# KiCad board migrane.kicad_pcb (continued)
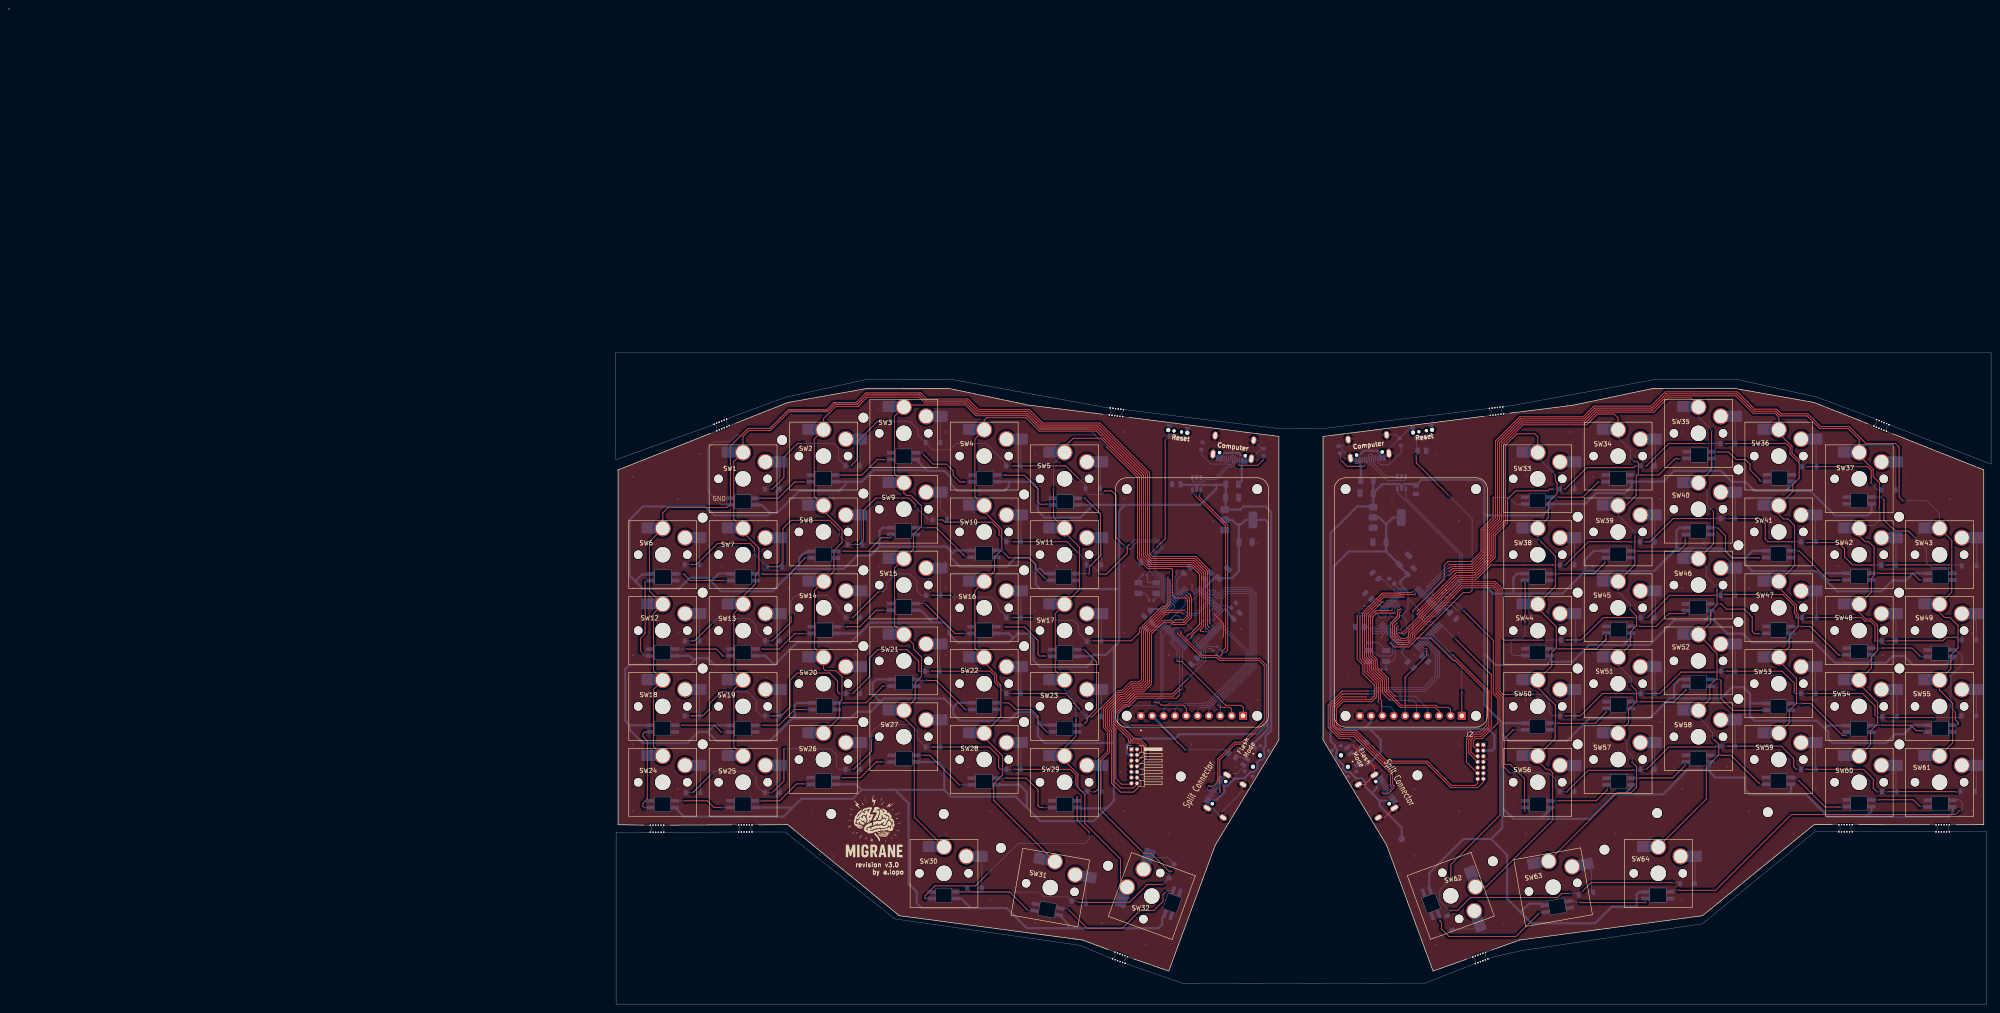
[diagram p0: board, top side]
## Routing (per net, layer and track width the routed paths; a pad name or vN(x,y) marks a point on that pad's centre or on a via; arc(x,y) is an arc through that point) (continued)
  Bottom w0.2: v1(124.51,29.8) 123.99,29.27 D32.1 ; 122.54,26.8 D32.1 ; 122.54,26.8 D32.1 ; 122.54,26.8 v1(122.51,26.8) ; 132.25,89.32 129.93,87 127.92,87 127.42,87.5 v1(127.06,87.5) ; D30.1 79.66,25.09 81.54,25.09 81.58,25.05 82.52,25.05 82.56,25.09 94.82,25.09 95.88,24.04 101.18,24.04 D31.1 103.43,23.09 v1(103.71,22.8)
ROW5^{b}: length 174.9
  Top w0.2: v1(187.11,28) 187.11,31.3 198.11,42.3 198.11,68.72 197.21,69.63 197.21,92.63 196.54,93.29 189.68,93.29 178.97,82.58 178.97,81.94 177.62,80.6 175.24,80.6 173.61,82.23 173.61,85.37 175.14,86.89 175.14,88.09 175.46,88.41 175.92,88.41 175.96,88.37 v1(176.02,88.42) ; v1(236.71,27.2) 218.51,27.2 v1(216.71,25.4) ; v1(213.71,24.8) 211.91,24.8 210.98,23.86 191.48,23.86 188.61,21 v1(187.11,21)
  Bottom w0.2: 174.28,90.7 174.95,90.01 175.06,89.9 175.06,89.89 175.55,89.4 175.55,88.89 v1(176.02,88.42) ; v1(187.11,28) 184.61,25.5 184.61,23 186.61,21 v1(187.11,21) 186.19,20.07 186.19,19.95 ; v1(236.71,27.2) 238.5,27.2 ; v1(213.71,24.8) 215.49,24.8 ; v1(216.71,25.4) 216.68,25.4 D63.1
SCK^{a}: length 44.4
  Bottom w0.2: 131.89,91.74 132.83,92.7 ; 132.83,92.7 132.91,92.79 ; 132.83,92.7 132.91,92.79 134.07,92.79 134.91,91.95 135.15,91.95 136.55,93.35 142.17,93.35 143.47,92.06 143.47,75.44 135.46,67.44 135.46,67.2 135.46,67.2 135.46,66.8 135.46,66.8 U3.3
SCK^{b}: length 39.3
  Top w0.2: v1(171.78,90.11) 171.72,90.11 168.67,87.05 168.67,83.1 168.68,83.1 168.68,77.94 169.71,76.9 169.71,75.13 172.21,72.63 172.21,70.13 175.84,66.5 183.61,66.5 184.48,65.63 U8.3
  Bottom w0.2: 172.79,89.36 172.03,90.12 171.8,90.12 v1(171.78,90.11)
ScreenBright^{a}: length 27.5
  Top w0.2: 140.61,64.5 140.61,66.5 140.16,66.95 136.66,66.95 126.82,76.8 125.95,76.8 v1(125.75,77)
  Bottom w0.2: 125.28,82.31 124.39,81.43 124.39,80.72 125.74,79.37 125.74,78.75 125.75,78.74 v1(125.75,77)
ScreenBright^{b}: length 21.1
  Top w0.2: v1(189.56,70) U8.1
  Bottom w0.2: 182.3,82.66 183.11,81.86 187,77.97 187,77.97 189.56,75.4 v1(189.56,70)
SDCS^{a}: length 27.3
  Top w0.2: U3.6 127.84,66.27 127.11,67 122.23,67 121.62,67.6 v1(120.65,67.6)
  Bottom w0.2: 123.17,84.43 122.24,83.52 122.16,83.44 122.16,69.08 120.68,67.6 v1(120.65,67.6)
SDCS^{b}: length 18.8
  Top w0.2: v1(176.86,67.5) 176.86,73.25 181.7,78.09 v1(181.7,79.48)
  Bottom w0.2: 180.17,80.53 181.1,79.64 181.54,79.64 v1(181.7,79.48) ; v1(176.86,67.5) U8.6
SWCLK^{a}: length 42
  Top w0.2: v1(126.97,70.5) 126.39,70.5 124.89,69 116.64,69 114.74,67.1 113.94,67.1 111.96,65.13 111.96,63.07 115.32,59.72 115.32,59.3 115.66,58.95 117.3,58.95 118.26,57.99 118.26,56.44 118.22,56.4 118.26,56.35 118.26,55.81 116.81,54.36
  Bottom w0.2: 127.78,79.85 126.95,79.04 126.95,70.48 v1(126.97,70.5)
SWCLK^{b}: length 38
  Top w0.2: J2.6 192.57,55.54 191.61,56.5 191.61,59.14 192.48,60 193.98,60 196.16,62.19 196.16,73.8 v1(188.22,81.74)
  Bottom w0.2: 184.78,85.09 185.56,84.4 v1(188.22,81.74)
SWDIO^{a}: length 43.3
  Top w0.2: v1(128.18,72.93) 124.75,69.5 116.46,69.5 114.51,67.55 113.75,67.55 111.51,65.31 111.51,62.89 114.87,59.53 114.87,58.89 115.26,58.5 117.11,58.5 117.81,57.8 117.81,56.63 116.81,55.63
  Bottom w0.2: 131.16,80.55 132.19,79.51 132.19,76.94 128.19,72.93 v1(128.18,72.93)
SWDIO^{b}: length 45.3
  Top w0.2: J2.4 192.11,57.81 192.11,59 192.61,59.5 194.11,59.5 197.66,63.05 197.66,68.5 196.61,69.55 196.61,81.5 v1(190.11,88)
  Bottom w0.2: 184.07,88.57 184.81,89.29 184.83,89.29 185.46,89.92 188.19,89.92 v1(190.11,88)
SWO^{a}: length 45.3
  Top w0.2: v1(126.29,69.26) 125.59,68.55 116.83,68.55 114.93,66.65 114.13,66.65 112.41,64.94 112.41,63.26 114.57,61.1 114.58,61.1 116.28,59.4 117.49,59.4 118.81,58.08 118.81,55.09 116.81,53.09
  Bottom w0.2: 125.63,81.94 124.84,81.16 124.84,80.91 126.29,79.46 126.3,79.46 126.3,78.66 126.3,69.26 v1(126.29,69.26)
SWO^{b}: length 37.7
  Top w0.2: J2.8 191.11,56.27 191.11,59.28 192.34,60.5 193.84,60.5 195.61,62.28 195.61,70.13 v1(187.51,78.23)
  Bottom w0.2: 182.66,83 183.43,82.25 187.48,78.2 v1(187.51,78.23)
UART_RX^{a}: length 60
  Top w0.2: v1(128.56,91.91) 128.82,91.65 128.82,91.31 129.02,91.11 129.02,86.63 127.46,85.07 124.89,85.07 124.41,85.55 122.66,85.55 120.06,82.95 120.06,71.76 118.25,69.95 116.27,69.95 114.33,68 113.57,68 111.06,65.5 111.06,62.69 112.06,61.69 112.06,50.55 113.33,49.28 115.54,49.28
  Bottom w0.2: 127.38,92.81 128.12,92.11 ; v1(128.56,91.91) 128.36,92.11 128.12,92.11
UART_RX^{b}: length 82.9
  Top w0.2: v1(166.12,86.98) 166.12,77.27 167.39,76 167.39,74.07 169.96,71.5 169.96,68.98 169.27,68.29 162.82,68.29 161.02,66.49 161.02,62.51 162.63,60.9 165.73,60.9 172.63,54 181.61,54 187.11,48.5 193.11,48.5 194.38,49.77 J2.13
  Bottom w0.2: 171.81,84.79 171.05,84.07 170.18,84.07 169.61,84.64 169.61,86.64 168.69,87.56 166.54,87.56 166.12,87.14 v1(166.12,86.98)
UART_TX^{a}: length 62.2
  Top w0.2: v1(127.74,91.75) 128.56,90.93 128.56,86.81 127.28,85.52 125.07,85.52 124.6,86 122.48,86 119.61,83.14 119.61,71.95 118.07,70.4 116.09,70.4 114.14,68.46 113.38,68.46 110.61,65.69 110.61,62.5 111.61,61.5 111.61,50 113.19,48.43 115.96,48.43 116.81,49.28
  Bottom w0.2: 127.04,92.46 v1(127.74,91.75)
UART_TX^{b}: length 79.9
  Top w0.2: v1(166.77,87.01) 166.77,77.3 167.84,76.22 167.84,74.45 170.41,71.88 170.41,68.79 169.46,67.84 163.01,67.84 161.47,66.3 161.47,62.7 162.81,61.35 165.91,61.35 172.81,54.45 181.8,54.45 187.25,49 192.61,49 193.11,49.5 J2.14
  Bottom w0.2: 171.91,84.21 171.42,83.67 171.24,83.5 170.11,83.5 169.11,84.5 169.11,86.5 168.6,87.01 v1(166.77,87.01)
USART_RX^{a}: length 61.9
  Top w0.2: v1(135.36,47.5) 135.36,54.75 138.86,58.25 140.6,58.25 145.76,63.41 145.76,75.99 144.25,77.5 135.54,77.5 135.45,77.59 135.38,77.59 134.83,78.13 131.48,78.13 126.64,82.98 v1(126.64,83.42)
  Bottom w0.2: 124.23,83.39 125.03,84.15 125.13,84.25 125.17,84.25 125.18,84.26 125.8,84.26 126.38,83.68 126.38,83.68 v1(126.64,83.42) ; 134.26,47.65 134.88,47.25 135.11,47.25 v1(135.36,47.5) 135.4,47.53 135.4,48.02 134.86,48.46
USART_RX^{b}: length 64
  Top w0.2: v1(173.8,48.69) 173.61,48.88 173.61,51.74 165.35,60 162.25,60 160.11,62.14 160.11,66.86 162.75,69.5 v1(168.61,69.5)
  Bottom w0.2: 172.87,48.92 173.42,49.23 173.8,48.85 v1(173.8,48.69) ; 173.48,48.11 173.88,48.32 173.88,48.62 v1(173.8,48.69) ; 181.22,81.59 182.02,80.83 182.08,80.83 182.19,80.73 182.19,80.73 184.11,78.8 184.11,73.5 181.06,70.45 170.56,70.45 169.61,69.5 v1(168.61,69.5) ; v1(173.8,48.69) 173.85,48.75 173.88,48.75
USART_TX^{a}: length 61.5
  Top w0.2: v1(125.89,83.33) 125.89,83.09 131.29,77.68 134.65,77.68 135.28,77.05 136.03,77.05 136.03,77.05 144.06,77.05 145.31,75.8 145.31,63.6 140.42,58.7 138.68,58.7 134.91,54.94 134.91,49.8 133.97,48.86 v1(132.86,48.86)
  Bottom w0.2: 124.51,82.96 125.36,83.81 125.61,83.81 125.89,83.54 v1(125.89,83.33) ; 133.28,47.64 132.84,47.88 132.83,47.88 132.61,48.1 132.61,48.61 v1(132.86,48.86) 133.23,48.86 133.44,48.64 134.08,48.36
USART_TX^{b}: length 67.7
  Top w0.2: v1(168.11,68.85) 162.74,68.85 160.56,66.68 160.56,62.32 162.44,60.45 165.54,60.45 174.06,51.92 174.06,49.28 174.35,49 174.35,48.47 173.14,47.26 v1(171.77,47.26)
  Bottom w0.2: 172.26,47.96 171.77,47.69 v1(171.77,47.26) 172.21,46.82 172.79,47.12 ; 181.59,81.97 182.37,81.18 184.56,78.99 184.56,73.31 181.25,70 170.74,70 169.58,68.83 168.13,68.83 v1(168.11,68.85)
USB^{a}D+: length 41.9
  Top w0.2: v1(129.91,114) 129.94,113.98 129.94,113.96 129.88,113.9 130.25,113.53 130.25,113.52 136.61,107.16 136.61,79.78 135.89,79.05 135.89,78.37 v1(135.63,78.11)
  Bottom w0.2: 134.65,78.47 135.11,78 135.51,78 135.59,78.08 135.59,78.08 v1(135.63,78.11) ; v1(129.91,114) 129.91,114 129.21,114.69 U2.6
USB^{a}D-: length 40.7
  Top w0.2: v1(136.7,78.92) 137.11,79.33 137.11,107.3 130.81,113.6 v1(130.81,114.12)
  Bottom w0.2: 135.54,79.4 136.18,78.76 136.54,78.76 v1(136.7,78.92) ; 131.08,115.27 131.08,114.66 130.81,114.39 v1(130.81,114.12)
USB^{b}D+: length 30.3
  Bottom w0.2: U7.6 175.11,114.68 176.56,113.23 189.11,100.68 189.11,95.07 187.21,93.17 186.74,93.17 186.37,92.8 R13.2
USB^{b}D-: length 30
  Bottom w0.2: U7.4 177.01,113.42 189.61,100.82 189.61,94.94 187.47,92.8 187.47,92.36 R14.2
Net-(D1-A): length 5.7
  Bottom w0.2: D1.2 36.8,121.11
Net-(D2-A): length 5.7
  Bottom w0.2: D2.2 54.75,126.27
Net-(D3-A): length 5.6
  Bottom w0.2: D3.2 72.75,131.37
Net-(D4-A): length 5.7
  Bottom w0.2: D4.2 90.75,126.27
Net-(D5-A): length 5.8
  Bottom w0.2: D5.2 108.55,121.37
Net-(D6-A): length 5.1
  Bottom w0.2: 18.8,99 18.8,104.12
Net-(D7-A): length 5.4
  Bottom w0.2: 37.27,103.66 37.27,98.54 37.07,98.34
Net-(D8-A): length 5.8
  Bottom w0.2: 55.11,103.15 55.11,108.91
Net-(D9-A): length 6.4
  Bottom w0.2: 72.8,114.32 72.8,110.96 74.26,109.5 D9.2
Net-(D10-A): length 5.6
  Bottom w0.2: D10.2 90.8,109.22
Net-(D11-A): length 5.7
  Bottom w0.2: D11.2 108.8,104.12
Net-(D12-A): length 5.7
  Bottom w0.2: D12.2 18.8,87.12
Net-(D13-A): length 5.7
  Bottom w0.2: D13.2 36.8,87.12
Net-(D14-A): length 5.7
  Bottom w0.2: D14.2 54.8,92.27
Net-(D15-A): length 5.7
  Bottom w0.2: D15.2 72.8,97.32
Net-(D16-A): length 5.6
  Bottom w0.2: D16.2 90.8,92.22
Net-(D17-A): length 5.7
  Bottom w0.2: 108.8,81.4 108.8,87.12
Net-(D18-A): length 5.5
  Bottom w0.2: D18.2 18.8,70.12
Net-(D19-A): length 5.5
  Bottom w0.2: D19.2 36.8,70.12
Net-(D20-A): length 5.6
  Bottom w0.2: D20.2 54.8,75.22
Net-(D21-A): length 5.9
  Bottom w0.2: D21.2 72.6,80.52
Net-(D22-A): length 5.6
  Bottom w0.2: D22.2 90.8,75.22
Net-(D23-A): length 5.7
  Bottom w0.2: D23.2 108.8,70.12
Net-(D24-A): length 5.5
  Bottom w0.2: D24.2 19,52.92
Net-(D25-A): length 5.7
  Bottom w0.2: D25.2 36.8,53.12
Net-(D26-A): length 5.6
  Bottom w0.2: D26.2 54.8,58.22
Net-(D27-A): length 5.8
  Bottom w0.2: D27.2 72.75,63.37
Net-(D28-A): length 5.6
  Bottom w0.2: D28.2 90.8,58.22
Net-(D29-A): length 5.5
  Bottom w0.2: D29.2 108.85,53.07
Net-(D30-A): length 6.5
  Bottom w0.2: D30.2 82.05,32.47
Net-(D31-A): length 5.6
  Bottom w0.2: D31.2 105.38,28.09
Net-(D32-A): length 6.5
  Bottom w0.2: SW32.2 123.59,32.88 D32.2
Net-(D33-A): length 5.1
  Bottom w0.2: 214.8,120.49 D33.2
Net-(D34-A): length 5.4
  Bottom w0.2: 232.91,126.11 232.91,120.71
Net-(D35-A): length 5.5
  Bottom w0.2: 250.91,131.21 250.91,125.71
Net-(D36-A): length 5.6
  Bottom w0.2: 268.91,126.11 268.91,120.49
Net-(D37-A): length 5.3
  Bottom w0.2: 286.8,120.49 D37.2
Net-(D38-A): length 5.7
  Bottom w0.2: D38.2 214.8,104.12
Net-(D39-A): length 5.6
  Bottom w0.2: D39.2 232.8,109.22
Net-(D40-A): length 5.5
  Bottom w0.2: D40.2 250.8,114.32
Net-(D41-A): length 5.6
  Bottom w0.2: D41.2 268.8,109.22
Net-(D42-A): length 5.7
  Bottom w0.2: 286.8,104.12 286.8,98.4
Net-(D43-A): length 5.7
  Bottom w0.2: 304.91,104.01 304.91,98.27
Net-(D44-A): length 5.1
  Bottom w0.2: 215,86.69 D44.2
Net-(D45-A): length 5.4
  Bottom w0.2: 232.91,92.11 232.91,86.71
Net-(D46-A): length 5.5
  Bottom w0.2: 250.8,97.09 D46.2
Net-(D47-A): length 5.3
  Bottom w0.2: 269,91.91 D47.2
Net-(D48-A): length 5.6
  Bottom w0.2: 286.8,87.01 D48.2
Net-(D49-A): length 6.1
  Bottom w0.2: D49.2 304.8,85.89 304.42,86.27 SW49.2
Net-(D50-A): length 5.5
  Bottom w0.2: D50.2 214.8,70.12
Net-(D51-A): length 5.6
  Bottom w0.2: D51.2 232.8,75.22
Net-(D52-A): length 5.7
  Bottom w0.2: D52.2 250.8,80.32
Net-(D53-A): length 5.6
  Bottom w0.2: D53.2 268.8,75.22
Net-(D54-A): length 5.5
  Bottom w0.2: D54.2 287,69.92
Net-(D55-A): length 5.5
  Bottom w0.2: D55.2 304.8,70.12
Net-(D56-A): length 5.5
  Bottom w0.2: D56.2 214.8,53.12
Net-(D57-A): length 5.6
  Bottom w0.2: D57.2 232.8,58.22
Net-(D58-A): length 5.5
  Bottom w0.2: D58.2 250.8,63.32
Net-(D59-A): length 5.6
  Bottom w0.2: D59.2 268.8,58.22
Net-(D60-A): length 5.5
  Bottom w0.2: 286.8,47.6 286.8,53.12
Net-(D61-A): length 5.5
  Bottom w0.2: 304.8,47.6 304.8,53.12
Net-(D62-A): length 6.6
  Bottom w0.2: 187.32,16.85 192,16.85 SW62.2
Net-(D63-A): length 6.4
  Bottom w0.2: 218.58,25.49 218.58,29.82 SW63.2
Net-(D64-A): length 5.5
  Bottom w0.2: 241.8,27.2 241.8,32.72
Net-(LED1-DOUT): length 13.9
  Top w0.2: v1(42.11,117) 40.11,117 36.47,113.36 v1(32.49,113.36)
  Bottom w0.2: v1(32.49,113.36) 32.47,113.36 32.46,113.35 LED1.2 ; v1(42.11,117) 43.66,117
Net-(LED2-DOUT): length 13.8
  Top w0.2: v1(60.11,122) 58.61,122 55.16,118.55 50.59,118.55 v1(50.59,118.55)
  Bottom w0.2: v1(50.59,118.55) 50.57,118.55 50.56,118.55 LED2.2 ; v1(60.11,122) 61.66,122
Net-(LED3-DOUT): length 15.8
  Top w0.2: v1(78.11,117) 77.11,117 75.61,118.5 75.61,119.5 74.11,121 71.11,121 v1(69.11,123)
  Bottom w0.2: LED3.2 68.56,123.55 v1(69.11,123) ; v1(78.11,117) 79.86,117
Net-(LED4-DOUT): length 16.7
  Top w0.2: v1(96.61,112) 95.11,112 94.61,112.5 94.61,115.5 91.61,118.5 87.19,118.5 v1(87.14,118.55)
  Bottom w0.2: LED4.2 v1(87.14,118.55) ; v1(96.61,112) 97.76,112
Net-(LED5-DOUT): length 23.9
  Top w0.2: v1(106.09,96.45) 106.12,96.48 106.12,98.02 107.6,99.5 107.61,99.5 108.61,100.5 108.61,109.86 v1(105.15,113.32)
  Bottom w0.2: v1(106.09,96.45) 105.08,96.45 105.07,96.46 LED6.4 ; v1(105.15,113.32) 105.12,113.35 LED5.2
Net-(LED7-DIN): length 19
  Top w0.2: v1(6.61,94.5) 6.61,83 5.61,82 v1(5.61,79)
  Bottom w0.2: LED7.4 6.56,78.05 v1(5.61,79) ; 7.02,94.91 v1(6.61,94.5)
Net-(LED8-DIN): length 12.9
  Top w0.2: v1(15.26,96.38) 16.72,94.92 v1(24.41,94.92)
  Bottom w0.2: v1(15.26,96.38) 13.44,96.38 ; v1(24.41,94.92) 24.43,94.91 LED9.2
Net-(LED10-DIN): length 14.3
  Top w0.2: v1(61.61,104.5) 59.61,104.5 56.61,101.5 v1(51.11,101.5)
  Bottom w0.2: v1(61.61,104.5) 61.71,104.6 LED11.2 ; v1(51.11,101.5) 49.38,101.5
Net-(LED10-DOUT): length 13.9
  Top w0.2: v1(42.51,100.01) 41.61,99.11 41.61,99 38.97,96.35 v1(32.99,96.35)
  Bottom w0.2: v1(32.99,96.35) 31.43,96.35 ; v1(42.51,100.01) 43.75,100.01
Net-(LED11-DIN): length 15.1
  Top w0.2: v1(69.61,106.75) 71.88,106.75 72.11,106.51 72.11,106.5 v1(78.11,100.5)
  Bottom w0.2: LED12.2 78.46,100.15 v1(78.11,100.5) ; v1(69.61,106.75) LED11.4
Net-(LED12-DIN): length 15.6
  Top w0.2: v1(96.11,95.5) 94.11,97.5 94.11,98.5 92.61,100 88.11,100 v1(87.11,101)
  Bottom w0.2: LED12.4 86.46,101.65 v1(87.11,101) ; LED6.2 96.66,94.96 v1(96.11,95.5)
Net-(LED13-DIN): length 13
  Top w0.2: v1(24.11,78) 22.56,79.55 v1(16.11,79.55)
  Bottom w0.2: v1(24.11,78) 25.64,78 ; LED7.2 v1(16.11,79.55)
Net-(LED13-DOUT): length 14
  Top w0.2: v1(42.11,83) 40.11,83 36.65,79.54 v1(33.07,79.54)
  Bottom w0.2: LED13.2 33.04,79.57 v1(33.07,79.54) ; v1(42.11,83) 43.86,83
Net-(LED14-DOUT): length 13.7
  Top w0.2: v1(51.84,84.56) 54.67,84.56 58.36,88.25 v1(59.98,88.25)
  Bottom w0.2: LED14.2 51.83,84.55 v1(51.84,84.56) ; v1(59.98,88.25) LED15.4
Net-(LED15-DOUT): length 15.2
  Top w0.2: v1(77.66,83.06) 76.06,83.06 v1(69.61,89.5)
  Bottom w0.2: LED16.4 77.66,83.05 v1(77.66,83.06) ; v1(69.61,89.5) 69.36,89.75 LED15.2
Net-(LED16-DOUT): length 17
  Top w0.2: v1(96.11,78) 95,78 94.61,78.38 94.61,81.5 91.61,84.5 87.44,84.5 v1(87.39,84.55)
  Bottom w0.2: v1(96.11,78) 97.74,78 ; LED16.2 v1(87.39,84.55)
Net-(LED17-DOUT): length 22.2
  Top w0.2: v1(105.02,79.42) 107.72,76.72 107.72,66.19 105.61,64.08 105.61,63.4 105.18,62.97
  Bottom w0.2: LED17.2 105.01,79.43 v1(105.02,79.42) ; LED18.4 104.73,62.52 v1(105.16,62.95) 105.18,62.98 105.18,62.97
Net-(LED18-DOUT): length 16
  Top w0.2: v1(87.11,67.5) 88.11,67.5 89.61,66 93.11,66 94.61,64.5 94.61,63 96.59,61.02 v1(96.59,61.02)
  Bottom w0.2: v1(87.11,67.5) 87.09,67.52 LED24.4 ; v1(96.59,61.02) 96.6,61.02 LED18.2
Net-(LED19-DIN): length 20.6
  Top w0.2: v1(6.61,61) 6.11,60.5 6.11,60 7.11,59 7.11,46 6.11,45 6.11,44.27 v1(6.33,44.05)
  Bottom w0.2: v1(6.61,61) 6.63,60.99 LED20.2 ; v1(6.33,44.05) 7.71,44.05
Net-(LED19-DOUT): length 13
  Top w0.2: v1(15.61,45.55) 20.56,45.55 22.06,44.05 v1(23.61,44.05)
  Bottom w0.2: LED19.2 v1(15.61,45.55) ; v1(23.61,44.05) LED25.4
Net-(LED20-DIN): length 13
  Top w0.2: v1(15.11,62.5) 22.11,62.5 v1(23.61,61)
  Bottom w0.2: v1(15.11,62.5) 15.1,62.49 LED20.4 ; v1(23.61,61) 23.66,60.96 LED21.2
Net-(LED21-DIN): length 14.1
  Top w0.2: v1(33.11,62.5) 36.61,62.5 40.11,66 v1(42.61,66)
  Bottom w0.2: LED22.2 42.62,66 v1(42.61,66) ; v1(33.11,62.5) 31.35,62.5
Net-(LED22-DIN): length 13.8
  Top w0.2: v1(51.11,67.5) 56.11,67.5 59.85,71.24 v1(59.97,71.24)
  Bottom w0.2: LED23.2 59.98,71.25 v1(59.97,71.24) ; v1(51.11,67.5) 49.58,67.5
Net-(LED23-DIN): length 15
  Top w0.2: v1(69.61,72.5) 71.86,72.5 v1(78.34,66.02)
  Bottom w0.2: v1(69.61,72.5) 67.48,72.5 ; LED24.2 78.34,66.02 v1(78.34,66.02)
Net-(LED25-DOUT): length 13.9
  Top w0.2: v1(42.12,49.35) 40.55,49.35 36.73,45.53 32.7,45.53 v1(32.69,45.54)
  Bottom w0.2: v1(42.12,49.35) 43.61,49.35 ; LED25.2 32.69,45.55 v1(32.69,45.54)
Net-(LED26-DOUT): length 14
  Top w0.2: v1(50.98,50.73) 54.85,50.73 58.37,54.25 v1(59.6,54.25)
  Bottom w0.2: LED27.4 59.61,54.25 v1(59.6,54.25) ; v1(50.98,50.73) 50.96,50.75 LED26.2
Net-(LED27-DOUT): length 15.1
  Top w0.2: v1(77,49.13) 70.38,55.75 v1(68.98,55.75)
  Bottom w0.2: v1(68.98,55.75) 68.97,55.75 LED27.2 ; v1(77,49.13) 77.01,49.14 LED28.4
Net-(LED28-DOUT): length 17.2
  Top w0.2: v1(96.11,44.04) 96.11,44.04 95.08,44.04 94.6,44.53 94.61,44.55 94.61,48 91.98,50.63 87.62,50.63 v1(87.61,50.64)
  Bottom w0.2: LED28.2 v1(87.61,50.64) ; v1(96.11,44.04) LED29.4
Net-(LED29-DOUT): length 55.3
  Top w0.2: v1(103.38,46.36) 103.39,46.35 103.39,41.23 v1(106.11,38.5) ; v1(69.34,23.65) 69.34,24.31 71.54,26.5 80.61,26.5 83.23,29.12
  Bottom w0.2: v1(103.38,46.36) 103.38,46.22 LED29.2 ; v1(106.11,38.5) 106.11,37 105.11,36 90.17,36 83.27,29.1 v1(83.26,29.1) ; v1(69.34,23.65) 69.61,23.65 LED30.4
Net-(LED30-DOUT): length 19
  Top w0.2: v1(77.51,25.13) 88.25,25.13 v1(92.17,21.22)
  Bottom w0.2: LED30.2 77.5,25.15 v1(77.51,25.13) ; 93.6,20.93 92.45,20.93 v1(92.17,21.22)
Net-(LED31-DIN): length 31.6
  Top w0.2: v2(123.11,25) 122.61,24.5 122.61,23 120.61,21 117.53,21 113.53,17 105.61,17 v1(101.61,21)
  Bottom w0.2: LED31.4 123.6,25.49 v2(123.11,25) ; v1(101.61,21) 101.16,21.45 LED32.2
Net-(LED33-DOUT): length 13.8
  Top w0.2: v1(211.4,113.58) 216.69,113.58 v1(220.11,117)
  Bottom w0.2: LED33.2 211.39,113.57 v1(211.4,113.58) ; v1(220.11,117) 221.7,117
Net-(LED34-DOUT): length 14
  Top w0.2: v1(229.61,118.56) 233.67,118.56 237.34,122.22 238.08,122.22 v1(238.11,122.18)
  Bottom w0.2: v1(238.11,122.18) 239.83,122.18 ; 227.38,118.56 v1(229.61,118.56)
Net-(LED35-DOUT): length 15.9
  Top w0.2: v1(256.32,117.15) 256.32,117.52 254.11,119.72 254.11,121 253.11,122 251.02,122 249.31,123.71 246.96,123.71 v1(246.94,123.73)
  Bottom w0.2: v1(246.94,123.73) 245.56,123.73 ; v1(256.32,117.15) 256.68,117.15 256.72,117.11 257.76,117.11
Net-(LED37-DOUT): length 30
  Top w0.2: v1(284.11,113) 284.11,108.5 286.61,106 289.61,106 v1(290.61,105)
  Bottom w0.2: LED38.4 299.51,97.1 298.84,97.77 294.84,97.77 293.61,99 293.61,102 v1(290.61,105) ; LED37.2 283.5,113.61 v1(284.11,113)
Net-(LED38-DOUT): length 13.2
  Top w0.2: v1(282.85,96.54) 290.57,96.54 v1(292.11,95)
  Bottom w0.2: LED44.4 282.84,96.55 v1(282.85,96.54) ; v1(292.11,95) 293.88,95
Net-(LED39-DIN): length 22
  Top w0.2: v1(203.72,94.26) 203.75,94.23 203.75,87.42 203.72,87.39 v1(203.72,85.5)
  Bottom w0.2: 203.54,78.1 201.25,78.1 200.56,78.79 200.56,81.04 201.36,81.83 202.95,81.83 203.72,82.6 v1(203.72,85.5) ; 203.71,95.27 203.71,94.26 v1(203.72,94.26)
Net-(LED39-DOUT): length 14.8
  Top w0.2: v1(221.87,82.5) 221.87,81.73 221.63,81.5 221.61,81.5 219.71,79.6 211.38,79.6 v1(211.35,79.62)
  Bottom w0.2: 209.48,79.6 211.13,79.6 211.16,79.62 v1(211.35,79.62) ; 221.85,83.19 221.85,82.73 221.87,82.72 v1(221.87,82.5)
Net-(LED40-DIN): length 14.7
  Top w0.2: v1(211.23,96.45) 219.17,96.45 v1(221.59,98.87)
  Bottom w0.2: v1(221.59,98.87) 221.59,99.85 ; v1(211.23,96.45) 210.77,96.45 LED40.4 209.24,96.69 209.31,96.77
Net-(LED41-DIN): length 15
  Top w0.2: v1(239.61,104) 239.61,103 238.11,101.5 229.11,101.5 v1(229.1,101.51)
  Bottom w0.2: v1(239.61,104) 239.61,105.15 ; v1(229.1,101.51) 229.08,101.53 LED41.4
Net-(LED42-DIN): length 17.2
  Top w0.2: v1(256.09,99.99) 256.07,100 250.11,100 248.61,101.5 248.61,104.99 v1(246.85,106.76)
  Bottom w0.2: v1(246.85,106.76) 246.84,106.75 LED42.4 ; v1(256.09,99.99) 257.63,99.99
Net-(LED43-DIN): length 15.1
  Top w0.2: v1(274.11,95) 271.69,95 v1(265.12,101.57)
  Bottom w0.2: LED43.4 265.11,101.57 v1(265.12,101.57) ; v1(274.11,95) 275.66,95
Net-(LED45-DOUT): length 14
  Top w0.2: v1(239.61,87.5) 235.91,87.5 233.06,84.64 v1(229.46,84.64)
  Bottom w0.2: v1(239.61,87.5) 239.7,87.58 LED46.4 ; v1(229.46,84.64) 229.45,84.65 LED45.2
Net-(LED46-DOUT): length 17
  Top w0.2: v1(256.11,83) 255.11,83 254.61,83.5 254.61,86.69 252.81,88.5 248.85,88.5 v1(247.65,89.7)
  Bottom w0.2: LED46.2 247.61,89.67 v1(247.65,89.7) ; v1(256.11,83) 257.62,83
Net-(LED47-DOUT): length 16.1
  Top w0.2: v1(274.02,78.19) 267.6,84.61 v1(265.49,84.61)
  Bottom w0.2: v1(274.02,78.19) 275.64,78.19 ; 275.98,78.27 274.88,78.27 ; v1(265.49,84.61) 265.47,84.6 LED47.2
Net-(LED48-DOUT): length 13.4
  Top w0.2: v1(292.32,77.86) 290.4,79.79 v1(283.76,79.79)
  Bottom w0.2: v1(283.76,79.79) 283.74,79.77 LED48.2 ; v1(292.32,77.86) 293.89,77.86
Net-(LED49-DOUT): length 20.1
  Top w0.2: v1(300.76,62.77) 300.76,63.09 300.11,63.73 v1(300.11,65.5)
  Bottom w0.2: v1(300.11,65.5) 299.11,66.5 299.11,73.5 301.61,76 301.61,78 300.26,79.35 ; 299.51,62.77 300.76,62.77 v1(300.76,62.77)
Net-(LED50-DOUT): length 13.2
  Top w0.2: v1(292.64,61.27) 291.35,61.27 290.11,62.5 v1(283.61,62.5)
  Bottom w0.2: 293.91,61.27 292.64,61.27 v1(292.64,61.27) ; LED56.4 283.02,62.41 283.11,62.5 v1(283.61,62.5)
Net-(LED51-DIN): length 25.6
  Top w0.2: v1(203.64,43.18) 203.61,43.21 203.61,50.5 200.43,53.69 199.06,53.69 199.06,59.45 201.06,61.45 v1(201.11,61.45)
  Bottom w0.2: LED52.2 v1(201.11,61.45) ; 203.61,44.35 203.61,43.21 v1(203.64,43.18)
Net-(LED51-DOUT): length 14.6
  Top w0.2: v1(211.2,45.56) 219.67,45.56 v1(222.11,48)
  Bottom w0.2: v1(211.2,45.56) 211.19,45.55 LED51.2 ; v1(222.11,48) 222.11,48.93
Net-(LED52-DIN): length 14.5
  Top w0.2: v1(221.93,65.42) 219.43,62.92 211.37,62.92 211.34,62.94 v1(211.18,62.94)
  Bottom w0.2: LED52.4 211.18,62.95 v1(211.18,62.94) ; LED53.2 221.92,65.43 v1(221.93,65.42)
Net-(LED53-DIN): length 14.2
  Top w0.2: v1(239.72,70.35) 237.13,67.75 v1(229.61,67.75)
  Bottom w0.2: v1(239.72,70.35) 239.71,70.36 LED54.2 ; LED53.4 228.86,67.76 228.87,67.75 v1(229.61,67.75)
Net-(LED54-DIN): length 17.6
  Top w0.2: v1(256.55,65.82) 250.29,65.82 247.61,68.5 v1(247.61,72.5)
  Bottom w0.2: LED54.4 247.36,72.75 v1(247.61,72.5) ; LED55.2 256.58,65.86 v1(256.55,65.82)
Net-(LED55-DIN): length 16.1
  Top w0.2: v1(275.68,60.19) 274.87,60.19 267.71,67.35 267.69,67.35 267.67,67.36 v1(265.61,67.36)
  Bottom w0.2: v1(275.68,60.19) 275.7,60.21 LED56.2 ; v1(265.61,67.36) 265.18,67.36 265.18,67.36 LED55.4
Net-(LED57-DOUT): length 14.4
  Top w0.2: v1(229.44,50.68) 236.79,50.68 v1(239.61,53.5)
  Bottom w0.2: v1(239.61,53.5) 239.61,54.57 ; LED57.2 229.39,50.63 v1(229.44,50.68)
Net-(LED58-DOUT): length 15.1
  Top w0.2: v1(247.65,55.74) 248.7,55.74 249.87,55.74 v1(256.11,49.5)
  Bottom w0.2: LED58.2 247.64,55.75 v1(247.65,55.74) ; v1(256.11,49.5) 256.34,49.27 LED59.4
Net-(LED59-DOUT): length 15
  Top w0.2: v1(265.11,50) 270.94,44.17 v1(274.19,44.17)
  Bottom w0.2: LED59.2 264.34,50.77 v1(265.11,50) ; v1(274.19,44.17) 275.62,44.17
Net-(LED60-DOUT): length 13.1
  Top w0.2: v1(282.91,45.79) 290.66,45.79 v1(292.12,44.33)
  Bottom w0.2: LED60.2 282.89,45.77 v1(282.91,45.79) ; v1(292.12,44.33) 293.85,44.33
Net-(LED61-DOUT): length 76.8
  Top w0.2: v1(238.11,25.5) 246.41,25.5 263.4,42.49 300.14,42.49 v1(300.86,43.21)
  Bottom w0.2: v1(238.11,25.5) 238.06,25.55 236.31,25.55 ; 299.51,45.77 301.05,45.77 301.66,45.16 301.66,43.65 301.59,43.59 301.59,43.59 301.21,43.21 v1(300.86,43.21)
Net-(LED62-DOUT): length 18.2
  Top w0.2: v1(216.09,22.8) 216.15,22.74 v1(230.73,22.74)
  Bottom w0.2: v1(230.73,22.74) 230.69,22.78 LED62.2 ; v1(216.09,22.8) 215.32,22.8 215.07,23.04 LED64.4
Net-(LED63-DIN): length 29.4
  Top w0.2: v1(206.76,20.23) 201.68,15.15 186.68,15.15 185.03,16.81 185.03,18.32 v1(184.69,18.66)
  Bottom w0.2: v1(206.76,20.23) 207.13,20.59 LED64.2 ; 184.69,19.86 v1(184.69,18.66)
Net-(R5-Pad2): length 2.1
  Bottom w0.2: R5.2 141.05,55.29
Net-(U4-PA11): length 3.1
  Bottom w0.2: 132.11,81 132.99,80.12 R6.1
Net-(U4-PA12): length 2.5
  Bottom w0.2: 131.9,80.52 132.32,80.13 132.35,80.13 132.81,79.67 133.38,79.67 R7.1
Net-(U4-VCAP_1): length 3.3
  Bottom w0.2: 135.08,88.58 135.81,89.29 136.9,89.29 137.74,88.45
Net-(U9-PA11): length 3.5
  Bottom w0.2: 183.38,89.31 184.15,90.04 184.55,90.44 184.55,91 185.18,91.63 185.18,92.01
Net-(U9-PA12): length 3.8
  Bottom w0.2: 183.73,88.96 184.5,89.69 184.52,89.69 185,90.17 185,90.81 185.33,91.14 R14.1
Net-(USBC1-CC1): length 8.4
  Bottom w0.2: 136.71,121.82 136.61,121 133.36,121 131.22,123.14 131.22,124.44
Net-(USBC1-CC2): length 7.6
  Top w0.2: v1(145.11,122) 143.84,120.73 v1(139.56,120.73)
  Bottom w0.2: 139.66,121.25 139.59,120.73 v1(139.56,120.73) ; v1(145.11,122) 145.11,122.92
Net-(USBC1-DN1): length 9.6
  Bottom w0.2: 137.21,121.46 137.13,120.92 ; 137.13,120.92 137.13,120.77 134.36,118 U2.3 ; 137.13,120.92 137.21,120.84 137.28,120.92 137.93,120.92 138.19,121.18 138.22,121.65
Net-(USBC1-DP1): length 13.9
  Bottom w0.2: 137.83,122.61 138.09,122.9 138.73,122.83 138.86,122.47 ; 138.72,121.48 138.68,121 ; U2.1 129.21,117.25 129.46,117 131.61,117 131.71,117.1 131.76,117.1 131.76,117.15 132.16,117.55 134.55,117.55 137.47,120.47 138.12,120.47 138.5,120.85 138.63,120.96 138.63,120.98 138.64,120.99 138.64,121.02 138.68,121.02
Net-(USBC3-CC1): length 8.2
  Top w0.2: v1(167.61,120.5) 163.86,120.5 v1(162.61,121.75)
  Bottom w0.2: 167.86,121.5 167.86,120.75 v1(167.61,120.5) ; v1(162.61,121.75) 162.36,122 162.36,123.25
